# Altium PCB 控制板.PcbDoc (part 4 of 12) (continued)
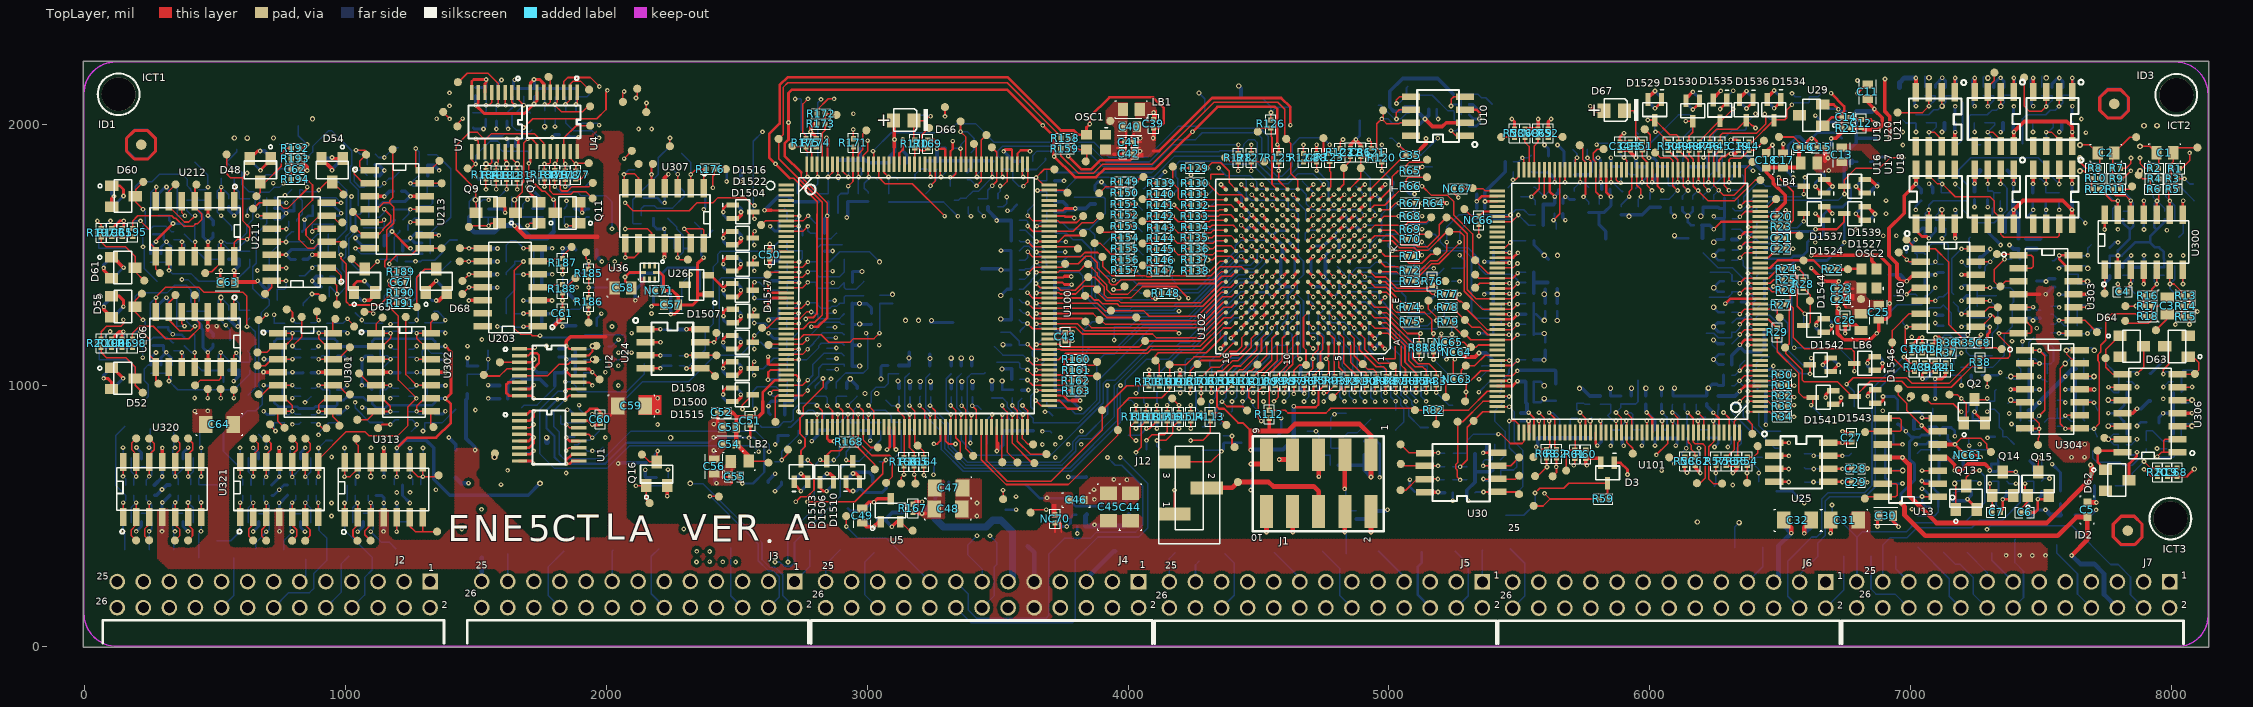
[diagram p0: TopLayer view]
## Nets (pads, with @x,y where several pads share a name; then routed paths per layer and width w, separated by ;. In a path a pad name is that pad's centre, name@x,y a point inside that pad or via, vN(x,y) a via of type N, cw(c..) or ccw(c..) an arc to the next point about the centre after c; other vN are vias at no path point) (continued)
J7-13_0: J7.13 pad.346 R18.2 R269.1 TP1506.1 | length 1596.4
  TopLayer w6: v1(7703.6,833.8) 7724,854.2 7724,1089.3 7719,1094.3 7719,1118.8 7729.4,1129.2 7729.4,1154.1 7749,1173.7 7749,1252.5 7772.4,1275.9 7861.5,1275.9 7872.4,1265 R18.2@7893.7,1265
  MidLayer3 w6: J7.13@7393.6,247.5 7445.7,299.6 7500.2,299.6 7584.4,383.8 7584.4,772.1 7646.1,833.8 v1(7703.6,833.8)
  BottomLayer w6: TP1506.1@7311.9,359.6 7311.9,329.7 7393.6,248 J7.13@7393.6,247.5 ; R269.1@7667.4,833 7702.8,833 v1(7703.6,833.8) pad.346@7716.5,803.4
J7-14_0: J7.14 R15.1 R275.1 TP1505.1 | length 2051.7
  TopLayer w6: v1(8069.4,1234.2) 8070.3,1235.1 R15.1@8070.3,1263.8
  MidLayer2 w6: v1(7593.6,934.6) 7674.9,1015.9 7781.1,1015.9 7848.2,948.8 v1(7969,948.8)
  MidLayer3 w6: J7.14@7393.6,147.5 7353.2,187.9 7353.2,264.7 7404.8,316.3 7410.3,316.3 7467.8,373.8 7508.2,373.8 7568.6,434.2 7568.6,909.6 v1(7593.6,934.6) ; v1(7969,948.8) 8011.1,990.9 8011.1,1175.9 v1(8069.4,1234.2)
  BottomLayer w6: J7.14@7393.6,147.5 7433.2,187.1 7433.2,288.4 7400.3,321.3 7400.3,408 TP1505.1@7401.9,409.6 ; R275.1@7562.8,944.2 7584,944.2 v1(7593.6,934.6)
J7-15_0: J7.15 R7.1 R293.2 TP1504.1 | length 2486.3
  TopLayer w6: R7.1@7805.5,1833.2 7826.3,1833.2 7845.3,1852.2 v1(7845.3,1872.5)
  MidLayer3 w6: J7.15@7293.6,247.5 7293.6,341.3 7373.6,421.3 7373.6,520.8 7463.6,610.8 7463.6,1057.2 7429.4,1091.4 v1(7429.4,1169.6) 7460.2,1169.6 7502.8,1212.2 7502.8,1294.6 7449.4,1348 7449.4,1823.8 7421.9,1851.3 7421.9,1873.8 7441.1,1893 7824.8,1893 v1(7845.3,1872.5)
  BottomLayer w6: TP1504.1@7217.4,359.6 7293.6,283.4 J7.15@7293.6,247.5 ; R293.2@7413.6,1134.2 7429.4,1150 v1(7429.4,1169.6)
J7-16_0: J7.16 pad.285@7634,1873.4 R8.2 R276.2 TP1503.1 | length 2426
  TopLayer w6: v3(7649.4,1872.1) 7649.4,1858 7674,1833.4 R8.2@7693.7,1833.4
  MidLayer3 w6: J7.16@7293.6,147.5 7341.1,195 7341.1,352.9 7407.4,419.2 7407.4,531.3 7494.9,618.8 7494.9,693 7523.2,721.3 7523.2,1005 7476.1,1052.1 7476.1,1153.8 7514.4,1192.1 7514.4,1313.4 7482.8,1345 7482.8,1657.6 7490.7,1665.5 7490.7,1682.9 7483.2,1690.4 7483.2,1757.1 7490.3,1764.2 7490.3,1783.3 7481.9,1791.7 7481.9,1837.5 7506.5,1862.1 7639.4,1862.1 v3(7649.4,1872.1)
  BottomLayer w6: TP1503.1@7127.8,360 7173.6,314.2 7190.7,314.2 7239.9,265 7239.9,201.2 J7.16@7293.6,147.5 ; v1(7494,1034.2) 7505.2,1023 7514.4,1023 R276.2@7523.6,1013.8
J7-17_0: J7.17 R2.2 R278.2 TP1518.1 | length 2358.1
  TopLayer w6: v1(7880.3,1872.1) 7880.3,1851.6 7899.4,1832.5 R2.2@7919.9,1832.5
  MidLayer2 w6: v1(7389,1170) 7412.4,1193.4 7521.5,1193.4 7546.5,1218.4 7659.4,1218.4 v1(7678.6,1199.2)
  MidLayer3 w6: J7.17@7193.6,247.5 7193.6,314.6 7315.3,436.3 7315.3,584.7 7329,598.4 7329,726.7 7414.9,812.6 7414.9,1067.1 7389,1093 v1(7389,1170) ; v1(7678.6,1199.2) 7659,1218.8 7659,1407.1 7674.9,1423 7683.6,1423 7699.9,1439.3 7699.9,1553.7 7651.5,1602.1 7651.5,1687.9 7809.1,1845.5 7853.7,1845.5 v1(7880.3,1872.1)
  BottomLayer w6: R278.2@7638.6,1198.4 7678.2,1198.4 7699,1219.2 TP1518.1@7733.6,1219.2
J7-18_0: J7.18 R1.1 R287.1 TP1502.1 | length 2914
  TopLayer w6: R1.1@8030.9,1832.1 8039.8,1832.1 8070.3,1862.6 v1(8070.3,1892.1)
  MidLayer2 w6: v1(7484,1219.6) 7564,1299.6 7571.6,1299.6 7637,1234.2 v1(8015.3,1234.2)
  MidLayer3 w6: J7.18@7193.6,147.5 7239.9,193.8 7239.9,317.2 7352.8,430.1 7352.8,535.1 7375.3,557.6 7375.3,731.3 7430.3,786.3 7430.3,1069.2 7411.9,1087.6 7411.9,1179.6 7451.9,1219.6 v1(7484,1219.6) ; v1(8015.3,1234.2) 8070.3,1289.2 v1(8070.3,1892.1)
  BottomLayer w6: TP1502.1@7028.6,379.6 7149,259.2 7149,192.1 J7.18@7193.6,147.5 ; R287.1@7538.6,1304.6 7564.9,1304.6 v1(7569.9,1299.6)
J7-21_0: D1524.3 J7.21 R361.2 TP23.1 | length 1960.5
  TopLayer w6: D1524.3@6590.4,1659.25 6590.9,1658.75 v1(6590.9,1629.6)
  MidLayer2 w6: v1(6590.9,1629.6) 6760.7,1629.6 v1(6791.3,1599)
  MidLayer3 w6: v1(6791.3,1599) 6786.9,1594.6 6786.9,1128 6818.2,1096.7 6818.2,464.2 6993.6,288.8 J7.21@6993.6,247.5
  BottomLayer w6: R361.2@6440.6,1604.6 6565.9,1604.6 v1(6590.9,1629.6) ; TP23.1@6943.2,344.6 6943.2,297.9 J7.21@6993.6,247.5
J7-22_0: J7.22 Q11B.3 R50.1 TP22.1 | length 3004.9
  TopLayer w6: v1(6022.1,1972.5) 6033.8,1972.5 6071.5,1934.8 R50.1@6071.5,1933.2
  MidLayer3 w6: v1(6022.1,1972.5) 6158.2,1972.5 6190.7,2005 6539.1,2005 6615.3,1928.8 6615.3,1590.3 6626.8,1578.8 6651.1,1578.8 6768.6,1461.3 6768.6,1123.5 6806.5,1085.6 6806.5,453.4 6951.5,308.4 6951.5,189.6 J7.22@6993.6,147.5
  BottomLayer w6: Q11B.3@6019.45,2019.4 6019.45,1975.15 v1(6022.1,1972.5) ; TP22.1@6848.6,344.6 6848.6,219.6 6867.7,200.5 6940.6,200.5 J7.22@6993.6,147.5
J7-23_0: J7.23 Q14.3 R296.1 U2.10 | length 7267.9
  TopLayer w6: Q14.3@7354,669.2 v1(7403.6,669.2)
  TopLayer w8: v1(1843,977.8) 1851.93,986.73 U2.10@1894,986.73
  MidLayer2 w6: v1(2583.6,746.7) 2583.6,721.3 2616.9,688 3390.2,688 3414,664.2 3519.4,664.2 3591.9,591.7 3591.9,491.7 3695.6,388 5857,388 6047,578 6964.4,578 6983.6,558.8 6983.6,450.5 6893.6,360.5 J7.23@6893.6,247.5
  BottomLayer w6: v1(1843,977.8) 1814.7,977.8 1744,907.1 1744,739.6 1801.5,682.1 2001.5,682.1 2087.8,768.4 2561.9,768.4 v1(2583.6,746.7) ; J7.23@6893.6,247.5 6893.6,388.3 6921.6,416.3 6986.5,416.3 7025.2,455 7234.9,455 7262.9,483 7352,483 7421.1,552.1 7421.1,651.7 7399,673.8 R296.1@7363.6,673.8
J7-24_0: J7.24 Q15.3 R268.2 U2.9 | length 7173.1
  TopLayer w6: Q15.3@7489.8,669.2 7489.8,720.4 v1(7493.6,724.2)
  TopLayer w8: v1(1841.9,946.7) 1856.3,961.1 U2.9@1894,961.1
  MidLayer2 w6: v1(2623.6,746.3) 2653.6,746.3 2664.4,735.5 3156.1,735.5 3176.6,715 3434.1,715 3456.1,693 3530.7,693 3619,604.7 3619,500.1 3715.3,403.8 5824.4,403.8 6020.6,600 6996.5,600 7028.2,568.3 7028.2,420.5 ; J7.24@6893.6,147.5 6941.5,195.4 6941.5,333.8 7028.2,420.5 ; v1(7493.6,724.2) 7467.4,698 7467.4,539.6 7348.3,420.5 7028.2,420.5
  BottomLayer w6: v1(1841.9,946.7) 1798.2,903 1798.2,843 1819.4,821.8 1819.4,736.7 1837.3,718.8 1987.8,718.8 2094.5,825.5 2571.9,825.5 2623.6,773.8 v1(2623.6,746.3) ; v1(7493.6,724.2) 7503.6,714.2 R268.2@7503.6,674.2
J7-25_0: J7.25 pad.261@6068.6,735 pad.380 Q13.3 R300.1 U2.11 | length 6910.7
  TopLayer w6: Q13.3@7213.6,614.6 7213.6,647.9 7239.9,674.2 v1(7264.4,674.2)
  TopLayer w8: U2.11@1894,1012.36 1934.64,1012.36 v1(1946.1,1000.9)
  MidLayer2 w6: v1(1845.7,665) 1892.4,711.7 1981.1,711.7 2027.8,758.4 2140.3,758.4 2167,731.7 2205.7,731.7 2216.9,742.9 2216.9,820.2 2227.2,830.5 2451.1,830.5 2476.5,855.9 3404.8,855.9 3428.6,832.1 3534,832.1 3834.8,531.3 4959,531.3 4984,506.3 5719.4,506.3 5912.7,699.6 v1(6094.4,699.6)
  MidLayer3 w6: v1(1845.7,665) 1873.2,692.5 1873.2,857.1 1928.6,912.5 1928.6,983.4 v1(1946.1,1000.9) ; v1(6094.4,699.6) 6433.6,699.6 6541.9,591.3 6656.9,591.3 6699.4,548.8 v1(6699.4,541.7)
  BottomLayer w6: pad.261@6068.6,735 6068.6,725.4 v1(6094.4,699.6) ; v1(6699.4,541.7) 6699.4,514.3 6794.9,418.8 ; J7.25@6793.6,247.5 6794.9,248.8 6794.9,418.8 ; R300.1@7233.6,674.2 7263.2,674.2 7284.9,652.5 7284.9,551.3 7207.4,473.8 7018.6,473.8 6984.4,439.6 6815.7,439.6 6794.9,418.8
J7-26_0: J7.26 R61.1 TP1520.1 | length 1534.1
  TopLayer w6: v1(5709,694.2) 5712.6,697.8 R61.1@5712.6,721.5
  MidLayer2 w6: v2(6343.2,474.2) 6461.9,355.5 6666.1,355.5 6739.4,282.2 6739.4,201.7 J7.26@6793.6,147.5
  MidLayer3 w6: v1(5709,694.2) 5742.3,727.5 5876.2,727.5 6148.7,455 6324,455 v2(6343.2,474.2)
  BottomLayer w6: TP1520.1@6326.5,377.5 6326.5,457.5 v2(6343.2,474.2)
NetC107_2: C106.2 C107.2 R28.2 R632.1 TP319.1 U300.7 | length 9405
  TopLayer w6: v1(1682.8,1989.2) 1684,1989.2 1717.8,2023 1963.4,2023 1998.4,2058 1998.4,2126.5 v1(2003.6,2131.7) ; v1(6569.6,1449.4) 6589,1430 R28.2@6589,1404.6 ; U300.7@8044,1444.2 8044,1390.5 v1(8044.9,1389.6)
  MidLayer2 w6: v1(2003.6,2131.7) 2009.9,2131.7 2045.7,2167.5 4638,2167.5 4670,2135.5 5975.8,2135.5 6020.3,2180 6513.6,2180 6541.1,2152.5 7027,2152.5 7045.7,2133.8 7750.3,2133.8 7888.2,1995.9 v3(7895.3,1995.9) ; v1(6569.6,1449.4) 6585.7,1465.5 6585.7,1560 6559,1586.7 6559,1655.8 6584.5,1681.3 6959.4,1681.3 6988.6,1710.5 7169.4,1710.5 7281.1,1598.8 7706.1,1598.8 7737.4,1567.5 7985.3,1567.5 8026.5,1526.3 8026.5,1408 v1(8044.9,1389.6)
  MidLayer3 w6: v3(7895.3,1995.9) 7915.3,2015.9 7962.3,2015.9 8001.9,1976.3 8001.9,1729.6 8017.8,1713.7 8017.8,1416.7 v1(8044.9,1389.6)
  BottomLayer w6: R632.1@1658.6,2016.3 1682.8,1992.1 v1(1682.8,1989.2) ; v1(6569.6,1449.4) 6620.3,1398.7 TP319.1@6620.3,1385 ; C107.2@8044,1458.8 8044.9,1457.9 v1(8044.9,1389.6)
NetC112_1: C112.1 C113.1 R181.2 R365.1 TP317.1 U300.8 | length 7943.4
  TopLayer w6: R181.2@1657.8,1791.3 1657.8,1752.5 v1(1658.2,1752.1)
  TopLayer w10: U300.8@8044,1655 8044,1706.7 v1(8045.7,1708.4)
  MidLayer2 w6: v1(1398.6,2122.1) 1968,2122.1 1979.6,2110.5 2009.1,2110.5 2053.9,2155.3 4266.6,2155.3 4296,2125.9 4661.5,2125.9 4672.8,2114.6 5339.9,2114.6 5347.4,2122.1 5980.7,2122.1 6024.5,2165.9 6507.7,2165.9 6545.5,2128.1 v1(6545.5,2120.3) 6567.7,2120.3 6589.1,2141.7 7006.1,2141.7 7026.1,2121.7 7599,2121.7 7654.9,2065.8 v1(7654.9,2021.7)
  MidLayer3 w6: v1(1398.6,2122.1) 1430.3,2090.4 1430.3,1836.2 1483.5,1783 1627.3,1783 v1(1658.2,1752.1) ; v1(7654.9,2021.7) 7662.4,2029.2 7979.5,2029.2 8021.1,1987.6 8021.1,1733 v1(8045.7,1708.4)
  BottomLayer w6: v1(6545.5,2120.3) 6558.3,2107.5 R365.1@6579.9,2107.5 ; TP317.1@8029,1568.4 8045.7,1585.1 v1(8045.7,1708.4)
NetC120_1: C119.1 C120.1 R184.2 R366.2 TP318.1 U300.14 | length 7847.8
  TopLayer w6: v1(1538.2,1752.1) R184.2@1538.2,1792.2
  TopLayer w10: v1(7744.4,1598.4) U300.14@7744.4,1655
  MidLayer2 w6: v1(1398.6,2072.5) 1461,2072.5 1497.3,2108.8 1957.3,2108.8 1968.6,2097.5 2013.6,2097.5 2059.5,2143.4 2254,2143.4 2256.9,2140.5 4253.2,2140.5 4280.7,2113 4653.9,2113 4666.4,2100.5 5354,2100.5 5363.1,2109.6 6054,2109.6 6096.9,2152.5 6298.1,2152.5 v1(6320.3,2130.3) 6344.2,2154.2 6484.9,2154.2 6538.6,2100.5 7515.7,2100.5 7646.6,1969.6 v1(7672.4,1969.6)
  MidLayer3 w6: v1(1398.6,2072.5) 1416.9,2054.2 1416.9,1828.4 1493.2,1752.1 v1(1538.2,1752.1) ; v1(7672.4,1969.6) 7735.7,1906.3 7836.1,1906.3 7851.1,1891.3 7896.1,1891.3 7903.6,1883.8 7903.6,1811.3 7882.8,1790.5 7783.6,1790.5 7709.9,1716.8 7709.9,1621.6 7733.1,1598.4 v1(7744.4,1598.4)
  BottomLayer w6: v2(4272.6,2121.1) 4294.4,2099.3 TP318.1@4294.4,2052.1 ; R366.2@6293.6,2110.4 6300.4,2110.4 v1(6320.3,2130.3) ; C120.1@7744,1673 7744,1598.8 v1(7744.4,1598.4)
NetC125_1: C125.1 pad.338 R259.1 R272.2 R274.2 U304.8 | length 866.5
  TopLayer w6: v3(7593.6,1084.6) 7574,1065 7574,853.4 7592,835.4 U304.8@7649.4,835.4
  MidLayer2 w6: v1(7593.6,834.2) 7643.1,834.2 7673.1,864.2 7876.1,864.2 7889.9,850.4 7889.9,815.9 v1(7868.2,794.2)
  BottomLayer w6: R274.2@7562.8,843.4 7584.4,843.4 7595.3,832.5 C125.1@7627.4,832.5 ; v3(7593.6,1084.6) 7612.8,1103.8 R272.2@7632.4,1103.8 ; R259.1@7827.8,773.8 7847.8,773.8 v1(7868.2,794.2)
NetC129_2: C129.2 pad.329 R253.1 R283.2 R286.2 U303.8 | length 984.1
  TopLayer w6: v1(7569.4,1200) U303.8@7625.2,1200
  MidLayer2 w6: v1(7569.4,1200) 7619.1,1200 7638.2,1180.9 7782.7,1180.9 v1(7969.4,994.2)
  MidLayer3 w6: v1(7569.4,1200) 7601.9,1232.5 7601.9,1371.7 v3(7679.4,1449.2)
  BottomLayer w6: R286.2@7538.2,1203 7566.4,1203 7571.8,1197.6 C129.2@7598.6,1197.6 ; R283.2@7644.4,1459.2 7669.4,1459.2 v3(7679.4,1449.2) ; v1(7969.4,994.2) 7989,1013.8 R253.1@8007.8,1013.8
NetC139_1: C139.1 pad.320 R264.1 R277.1 R290.2 U304.1 | length 987.9
  TopLayer w6: U304.1@7438.6,1135 7493.3,1135 7514.4,1113.9 7514.4,905.4 v1(7493.2,884.2)
  MidLayer2 w6: v1(7494.4,1134.2) 7512.3,1116.3 7661.9,1116.3 7682.7,1095.5 7767.3,1095.5 v1(7868.6,994.2)
  BottomLayer w6: R290.2@7453.1,864.2 7473.2,864.2 v1(7493.2,884.2) ; pad.320@7473.2,1184.6 7453.2,1164.6 C139.1@7453.2,1134.2 v1(7494.4,1134.2) 7503.6,1125 7512.4,1125 R277.1@7522.8,1114.6 ; R264.1@7829,1014.2 7848.6,1014.2 v1(7868.6,994.2)
NetC147_2: C147.2 pad.319 R313.1 R314.1 | length 153.2
  BottomLayer w6: C147.2@7254.8,1344.6 7328.6,1344.6 pad.319@7329,1344.2 ; R313.1@7255.3,1305 R314.1@7255.3,1383.8
NetC148_2: C148.2 pad.315 R315.1 R320.2 | length 152.6
  BottomLayer w6: pad.315@7070.7,1294.4 7074.7,1298.4 7115.3,1298.4 R320.2@7125.7,1308.8 7155.7,1278.8 R315.1@7155.7,1229.6
NetC166_1: C166.1 pad.291@7105.7,1809.2 R331.1 R453.1 U16.7 U17.7 U18.7 | length 2972
  TopLayer w6: U16.7@7070.9,1827.2 7070.9,1805.2 7103.1,1773 7122.7,1773 7171.9,1723.8 7304.9,1723.8 7321.1,1707.6 7321.1,1665.1 7345.5,1640.7 U17.7@7345.5,1620.4 7345.5,1580.6 7357.3,1568.8 7564,1568.8 7569.6,1574.4 U18.7@7569.6,1620.4
  MidLayer2 w6: v1(5187.6,1948) 5195.1,1940.5 5849.8,1940.5 5883.6,1906.7 6581.1,1906.7 6589.9,1915.5 6921.4,1915.5 6940.2,1896.7 6997.8,1896.7 v1(7121.5,1773)
  BottomLayer w6: R453.1@5098.2,1883.8 5123.4,1883.8 v1(5187.6,1948) ; pad.291@7105.7,1809.2 7105.7,1788.8 v1(7121.5,1773) 7117.7,1769.2 7117.7,1739.6 C166.1@7155.3,1739.6
NetC197_2: C197.2 pad.252@5635.3,1059.8 U101.125 | length 283.5
  TopLayer w6: U101.125@5415.2,1037.4 5473.9,1037.4 v1(5492.8,1056.3)
  BottomLayer w14: v1(5492.8,1056.3) 5495.7,1059.2 5634.7,1059.2 5640.5,1053.4 C197.2@5640.5,1006.6
NetC233_1: C233.1 pad.162@5546.5,1819.2 U101.81 | length 161.1
  TopLayer w6: v1(5635.9,1779.8) v1(5635.9,1779.8) U101.81@5635.94,1827.6
  BottomLayer w6: pad.162@5546.5,1819.2 5549,1816.7 C233.1@5611.9,1816.7
  BottomLayer w14: C233.1@5611.9,1816.7 5635.9,1792.7 v1(5635.9,1779.8)
NetC247_1: C247.1 pad.159@5146.9,2113 R456.1 U10.1 | length 356.3
  TopLayer w6: v1(5238,1977.3) 5257.3,1958 U10.1@5291.9,1958
  BottomLayer w6: R456.1@5099.4,2098.4 5114,2113 5166.5,2113 5225.3,2054.2 5246.5,2054.2 5251.5,2049.2 5251.5,2019.6 C247.1@5276.1,1995 5258.4,1977.3 v1(5238,1977.3)
NetC324_1: C324.1 pad.143@3456.9,773.8 U100.81 | length 173.9
  TopLayer w6: U100.81@3477.06,840.8 3477.06,887.06 v1(3479.2,889.2)
  BottomLayer w6: pad.143@3456.9,773.8 3460.3,777.2 3460.3,870.3 v1(3479.2,889.2)
NetC325_1: C325.1 pad.155@3828,1649.6 U100.125 | length 284.4
  TopLayer w6: v1(3615.3,1650.9) 3635.2,1631 3732.6,1631 3738.6,1625 3803.4,1625 pad.155@3828,1649.6
  BottomLayer w6: v1(3615.3,1650.9) 3615.3,1670.4 C325.1@3637.4,1692.5
NetC412_2: C412.2 R185.2 R186.1 R643.1 R644.1 TP1515.1 U313.1 | length 2172.4
  TopLayer w6: v1(996.1,550) 996.5,549.6 U313.1@996.5,495 ; R186.1@1931.9,1337.5 R185.2@1931.9,1415.3
  MidLayer2 w6: v1(996.1,550) 1018.6,572.5 1256.1,572.5 1403.2,719.6 1492.3,719.6 1543.2,770.5 1809.4,770.5 1821.9,783 1978.6,783 v1(1996.1,800.5)
  MidLayer3 w6: v1(1931.9,1375.9) 2044,1375.9 2063.6,1356.3 2063.6,1219.2 2019.4,1175 2019.4,994.1 2044,969.5 2044,828.7 2015.8,800.5 v1(1996.1,800.5)
  BottomLayer w6: C412.2@997,513.8 997,549.1 1006.9,559 R644.1@1006.9,618.4 ; v1(1931.9,1375.9) 2002.8,1375.9 TP1515.1@2003.2,1375.5
NetC464_1: C464.1 C465.1 pad.9@1358.6,1875.9 R664.2 R674.2 TP35.1 U213.9 | length 571.4
  TopLayer w6: U213.9@1304,1575.83 1357.73,1575.83 v1(1357.8,1575.9)
  BottomLayer w6: R674.2@1314.8,1885.5 1349,1885.5 1403.2,1831.3 1403.2,1645.5 1371.5,1613.8 1353.2,1613.8 1324.4,1585 C464.1@1324.4,1505.5 ; C465.1@1324.4,1585.9 1347.8,1585.9 v1(1357.8,1575.9)
NetC468_1: C468.1 C469.2 pad.10@1358.6,1770.5 R671.2 R675.1 TP36.1 U213.11 | length 393.6
  TopLayer w6: v1(1248.2,1675.5) 1248.4,1675.7 U213.11@1304,1675.7
  BottomLayer w6: R675.1@1178.6,1675 1269.4,1675 1282.8,1688.4 TP36.1@1323.2,1688.4 1333.2,1698.4 1333.2,1713.4 1314,1732.6 R671.2@1314,1764.2 1352.3,1764.2 pad.10@1358.6,1770.5 ; C468.1@1219.4,1635 1241.5,1657.1 1241.5,1668.8 v1(1248.2,1675.5)
NetC471_1: C471.1 C473.1 R676.1 R683.2 TP64.1 U213.7 | length 720.9
  TopLayer w6: v1(1037.8,1525.9) U213.7@1093.2,1525.9
  MidLayer3 w6: v1(1037.8,1525.9) 1064.9,1525.9 1182.4,1643.4 1182.4,1840.4 v1(1148.6,1874.2)
  BottomLayer w6: v1(1037.8,1525.9) 1059.1,1504.6 C471.1@1148.2,1504.6 ; R683.2@1114.4,1886.3 1126.5,1874.2 1147.8,1874.2 1185.7,1912.1 TP64.1@1201.9,1912.1
NetC472_2: C472.2 C474.2 pad.62@1027.8,1665.5 R677.2 R680.2 TP37.1 U213.5 | length 522.9
  TopLayer w6: pad.62@1027.8,1665.5 1029.8,1665.5 1069,1626.3 1138.6,1626.3 v1(1147.8,1635.5)
  MidLayer3 w6: v1(1147.8,1635.5) 1167.8,1655.5 1167.8,1755.9 v1(1148.2,1775.5)
  BottomLayer w6: R677.2@1068.6,1605.4 1147.8,1605.4 v1(1147.8,1635.5) ; R680.2@1114,1765.5 1119,1760.5 1133.2,1760.5 1166.5,1793.8 1181.1,1793.8 TP37.1@1205.3,1818
NetC489_1: C487.1 C489.1 pad.2@352.4,1781.3 R791.2 R796.2 TP60.1 U212.5 | length 498.4
  TopLayer w6: U212.5@372.67,1706.3 372.67,1661.83 v1(383.6,1650.9)
  MidLayer2 w6: v1(383.6,1650.9) 412.3,1679.6 494.5,1679.6 v1(522.8,1651.3)
  BottomLayer w6: pad.2@352.4,1781.3 354,1779.7 354,1650.9 v1(383.6,1650.9) ; R791.2@511.9,1684.7 507.4,1680.2 507.4,1666.7 564,1610.1 TP60.1@564,1595
NetC490_2: C488.2 C490.2 pad.6@583.2,1906.5 R788.2 R797.1 TP61.1 U212.7 | length 931.8
  TopLayer w6: U212.7@272.8,1706.3 272.8,1759.3 v1(274.4,1760.9)
  MidLayer2 w6: v1(274.4,1760.9) 307.3,1728 479.4,1728 493.6,1713.8 560.3,1713.8 v1(623.6,1650.5)
  BottomLayer w6: C490.2@252.4,1650.5 252.4,1738.9 v1(274.4,1760.9) ; pad.6@583.2,1906.5 583.2,1895.9 TP61.1@543.2,1855.9 567.8,1831.3 588.2,1831.3 602.8,1816.7 602.8,1770 630.3,1742.5 647.8,1742.5 653.2,1737.1 653.2,1689.2 649,1685 632.7,1685 623.6,1675.9 v1(623.6,1650.5)
NetC491_2: C485.1 C491.2 R787.2 R793.1 TP59.1 U212.11 | length 310.8
  TopLayer w6: U212.11@422.6,1495.5 422.6,1550.3 v1(423.2,1550.9)
  BottomLayer w6: C491.2@382.4,1579.7 411.2,1550.9 v1(423.2,1550.9) ; R793.1@421.1,1619.6 421.1,1525.1 462.4,1483.8 R787.2@511.9,1483.8
NetC494_2: C493.2 C494.2 pad.42@606.9,1429.2 R784.2 R799.1 TP58.1 U212.9 | length 545.3
  TopLayer w6: U212.9@322.73,1495.5 322.73,1442.17 v1(323.2,1441.7)
  BottomLayer w6: C494.2@251.9,1473.4 330.6,1473.4 330.6,1449.1 v1(323.2,1441.7) 335.7,1429.2 407.8,1429.2 437.4,1399.6 576.1,1399.6 632.4,1455.9 R784.2@632.4,1483.8
NetD62_1: D62.1 pad.290@7717.4,750.5 U306.14 | length 184.5
  TopLayer w10: D62.1@7747.8,677.5 7747,677.5 7717.4,707.1 pad.290@7717.4,750.5 7718.3,749.6 7779.9,749.6 7785.3,744.2 U306.14@7813.2,744.2
NetD69_2: D69.2 R126.1 TP38.1 | length 186.5
  TopLayer w6: R126.1@4547.4,2018.4 4547.4,2046.5 v1(4548,2047.1)
  BottomLayer w6: D69.2@4512.4,2104.2 4548,2068.6 v1(4548,2047.1) 4568.4,2067.5 TP38.1@4625.3,2067.5
NetJ1_6: J1.6 J12.2 pad.184@4421.1,630 | length 530.3
  TopLayer w18: J12.2@4301.9,607.6 4398.7,607.6 pad.184@4421.1,630 4539.5,630 4556.5,613 4712.4,613 4731.05,594.35 J1.6@4731.05,517.2
NetJ4_1: J4.1 R107.1 | length 862.7
  TopLayer w6: v1(4239,971.1) R107.1@4239,999.6
  MidLayer3 w6: J4.1@4040.3,248 4040.3,548 4273.8,781.5 4273.8,876.1 4261.9,888 4261.9,948.2 v1(4239,971.1)
NetJ4_2: J4.2 pad.189@4279.4,938.8 R106.1 | length 1114.2
  TopLayer w6: pad.189@4279.4,938.8 4279.9,939.3 R106.1@4279.9,1000
  MidLayer3 w6: J4.2@4040.3,148 4040.3,186.2 3996.1,230.4 3996.1,519.6 4261.1,784.6 4261.1,873.4 4219.9,914.6 4219.9,980.5 4234,994.6 4255.7,994.6 v1(4279.4,970.9)
NetJ4_3: J4.3 R464.2 | length 1222.2
  MidLayer3 w6: J4.3@3940.3,248 3988.4,199.9 3988.4,122.6 4001.2,109.8 4057.5,109.8 4093.4,145.7 4093.4,582.6 4285.9,775.1 4285.9,888.3 v1(4279.4,894.8)
  BottomLayer w6: R464.2@4240.3,998.8 4260.7,978.4 4260.7,913.5 v1(4279.4,894.8)
NetJ4_4: J4.4 pad.244@4396.5,899.6 R461.2 | length 1407.9
  MidLayer3 w6: J4.4@3940.3,148 3968.6,119.7 3968.6,110.5 3982.8,96.3 4067,96.3 4109,138.3 4109,573.3 4299.4,763.7 4299.4,903 4287.1,915.3 4287.1,951.4 4301.3,965.6 4301.3,982.5 4310.1,991.3 4376.3,991.3 4379.6,988 4379.6,951 4391.8,938.8 v1(4398.8,938.8)
  BottomLayer w6: pad.244@4396.5,899.6 4398.8,901.9 v1(4398.8,938.8) 4417.4,957.4 4417.4,982.6 R461.2@4399.9,1000.1
NetJ4_13: J4.13 R163.1 TP1125.1 | length 1136
  TopLayer w6: R163.1@3816.5,980 3840.7,980 v1(3841.5,979.2)
  MidLayer3 w6: v1(3420.7,424.2) 3441.5,445 3441.5,656.3 3492.3,707.1 3779.8,707.1 3841.5,768.8 v1(3841.5,979.2)
  BottomLayer w6: v1(3420.7,424.2) 3386.1,389.6 3386.1,350.5 3440.3,296.3 J4.13@3440.3,248
NetJ4_14: J4.14 R162.1 TP1123.1 | length 1268.5
  TopLayer w6: R162.1@3816.1,1018.4 3840,1018.4 v1(3841.1,1017.3)
  MidLayer3 w6: v1(3470.7,423.8) 3470.7,660.5 3486.5,676.3 3711.1,676.3 3726.5,691.7 3787.4,691.7 3863.6,767.9 3863.6,994.8 v1(3841.1,1017.3)
  BottomLayer w6: J4.14@3440.3,148 3441.1,148 3487.8,194.7 3487.8,305.5 3496.5,314.2 3496.5,398 v1(3470.7,423.8)
NetJ4_15: J4.15 R423.1 TP1124.1 | length 3076.7
  MidLayer2 w6: v1(3921.3,724.2) 4011.7,814.6 4113.2,814.6 4155.3,772.5 4254.4,772.5 4271.5,789.6 4794.9,789.6 4921.6,916.3 5164.9,916.3 5272.4,1023.8 v1@5346.1,1023.8
  BottomLayer w6: J4.15@3340.3,248 3387.8,200.5 3387.8,139.6 3419.4,108 3686.1,108 3695.3,117.2 3695.3,353.4 3756.1,414.2 3855.7,414.2 3879.5,438 4028.7,438 4056.5,465.8 4056.5,614.2 3976.1,694.6 3950.9,694.6 v1(3921.3,724.2) ; v1(5345.3,1024.6) 5376,1055.3 R423.1@5399.9,1055.3
NetJ4_16: J4.16 R422.1 TP1122.1 | length 2941.4
  MidLayer2 w6: v1(3970.5,724.2) 4017.2,770.9 4104,770.9 4117.8,757.1 4266.5,757.1 4283.2,773.8 4806.5,773.8 4931.9,899.2 5170.2,899.2 5266,995 5324.5,995 v1(5344.9,974.6)
  BottomLayer w6: J4.16@3340.3,148 3397.8,90.5 3787.4,90.5 3797.4,100.5 3797.4,331.7 3884.9,419.2 4040.7,419.2 4076.1,454.6 4076.1,623.8 3975.7,724.2 v1(3970.5,724.2) ; v1(5344.9,974.6) 5387.6,1017.3 R422.1@5399.9,1017.3
NetJ4_17: J4.17 pad.93@2919.4,499.2 R171.2 | length 2163.8
  TopLayer w6: pad.93@2919.4,499.2 2919.9,498.7 v1(2919.9,459.2) ; v1(2946.5,1981.3) 2946.9,1980.9 R171.2@2946.9,1946.2
  MidLayer3 w6: v1(2919.9,459.2) 2825.5,553.6 2825.5,675.9 2852.8,703.2 2852.8,822.2 2906.1,875.5 2906.1,935.4 2994.4,1023.7 2994.4,1086.3 3029.9,1121.8 3029.9,1865 2946.5,1948.4 v1(2946.5,1981.3)
  BottomLayer w6: v1(2919.9,459.2) 2964.9,414.2 3074.1,414.2 J4.17@3240.3,248
NetJ4_18: J4.18 R113.1 | length 1448.4
  TopLayer w6: v1(4240.3,789.6) 4286,789.6 4315.7,819.3 R113.1@4315.7,864.4
  MidLayer3 w6: J4.18@3240.3,148 3286.9,194.6 3286.9,279.6 3310.7,303.4 3750.7,303.4 4236.9,789.6 v1(4240.3,789.6)
NetJ4_19: J4.19 R465.2 | length 1506
  MidLayer3 w6: J4.19@3140.3,248 3140.3,256.3 3212,328 3725.4,328 3832.4,435 3832.4,457.6 3863.6,488.8 3888.2,488.8 4122.8,723.4 4122.8,764.3 4174,815.5 4174,945.4 v1(4200.1,971.5)
  BottomLayer w6: v1(4200.1,971.5) 4201.5,972.9 R465.2@4201.5,999.3
NetJ4_20: J4.20 R114.1 | length 1472.6
  TopLayer w6: R114.1@4240.3,864.4 4240.5,864.2 v1(4240.5,834.8)
  MidLayer3 w6: J4.20@3140.3,148 3190.7,198.4 3190.7,275.1 3231.1,315.5 3743.9,315.5 4205.5,777.1 4205.5,799.8 v1(4240.5,834.8)
NetJ4_21: J4.21 R466.2 | length 1578.7
  MidLayer3 w6: J4.21@3040.3,248 3145.7,353.4 3684,353.4 3859,528.4 3879.4,528.4 3978,627 3978,651.7 3988.4,662.1 4016.9,662.1 4093.2,738.4 4093.2,937.1 4060,970.3 v1(4030.7,970.3)
  BottomLayer w6: v1(4030.7,970.3) 4030.9,970.3 4040.7,980.1 R466.2@4040.7,999.3
NetJ4_22: J4.22 R119.1 TP6.1 | length 2255.7
  TopLayer w6: R119.1@4030.5,864 4007.8,841.3 4007.8,806.3 4024.5,789.6 v1(4030.7,789.6)
  MidLayer3 w6: J4.22@3040.3,148 2999.6,107.3 2805.1,107.3 2777.4,135 2777.4,260.9 2828.6,312.1 2874,312.1 2966.9,405 3600.2,405 3889,693.8 3889,733.7 3944.9,789.6 v1(4030.7,789.6)
  BottomLayer w6: TP6.1@3026.1,358.4 3024.9,358.4 2991.1,324.6 2991.1,197.2 J4.22@3040.3,148
NetJ4_23: J4.23 pad.141@4070.7,754.2 R116.1 | length 1568.5
  TopLayer w6: v1(4070.7,789.8) 4092.2,811.3 4138.4,811.3 4150.1,823 R116.1@4150.1,864.2
  MidLayer3 w6: J4.23@2940.3,248 3058.2,365.9 3640.3,365.9 3821.5,547.1 3878.1,547.1 3964.4,633.4 3964.4,656.7 3984,676.3 4008.6,676.3 4070.7,738.4 v1(4070.7,789.8)
  BottomLayer w6: pad.141@4070.7,754.2 v1(4070.7,789.8)
NetJ4_24: J4.24 pad.269@4125.7,754.2 R115.1 | length 1675.2
  TopLayer w6: v1(4110.3,789.4) 4144.3,789.4 4171.3,816.4 4171.3,840.8 R115.1@4194.9,864.4
  MidLayer3 w6: J4.24@2940.3,148 2995.3,203 3072,203 3094.4,225.4 3094.4,281.3 3153.6,340.5 3688.2,340.5 3856.5,508.8 3889.8,508.8 4110.3,729.3 v1(4110.3,789.4)
  BottomLayer w6: v1(4110.3,789.4) 4110.3,769.6 pad.269@4125.7,754.2
NetJ4_25: J4.25 pad.142@4030.7,709.2 R118.1 TP4.1 | length 1710.5
  TopLayer w6: v1(4030.5,743.8) 4050.7,764 4050.7,844.8 R118.1@4070.1,864.2
  MidLayer3 w6: J4.25@2840.3,248 2983.2,390.9 3606.9,390.9 3922.5,706.5 3993.2,706.5 v1(4030.5,743.8)
  BottomLayer w6: J4.25@2840.7,248.8 2840.7,314.2 TP4.1@2896.1,369.6 ; pad.142@4030.7,709.2 v1@4030.7,743.6
NetJ4_26: J4.26 pad.140@4001.1,809.2 R117.1 | length 1737.8
  TopLayer w6: v1(4070.3,834.6) 4081.5,834.6 4110.3,863.4 R117.1@4110.3,864.4
  MidLayer3 w6: J4.26@2840.3,148 2888.4,196.1 2888.4,274.8 2992.4,378.8 3620.5,378.8 3934.2,692.5 4004.4,692.5 4053.2,741.3 4053.2,817.5 v1(4070.3,834.6)
  BottomLayer w6: pad.140@4001.1,809.2 4044.9,809.2 v1(4070.3,834.6)
NetJ5_1: J5.1 R90.1 TP12.1 | length 1094.8
  TopLayer w6: v1(4908.4,971.9) 4908.4,995.7 R90.1@4913.6,1000.9
  MidLayer3 w6: v1(4908.4,971.9) 4890.7,954.2 4890.7,790.9 4989,692.6 4989,607.1 5057.8,538.3 5057.8,520.9 5252.8,325.9 5272.8,325.9 5351.2,247.5 J5.1@5358.6,247.5
  BottomLayer w6: J5.1@5358.6,247.5 5358.6,368.4 TP12.1@5359.4,369.2
NetJ5_2: J5.2 R442.1 | length 1103
  MidLayer3 w6: v1(4868.8,939.8) 4868.8,789 4902.8,755 4902.8,634.2 4992,545 5003.2,545 5014,534.2 5014,523 5229.9,307.1 5267,307.1 5298.2,275.9 5298.2,207.9 J5.2@5358.6,147.5
  BottomLayer w6: v1(4868.8,939.8) 4847.6,961 4847.6,979 R442.1@4869.9,1001.3
NetJ5_3: J5.3 R91.1 | length 940.5
  TopLayer w6: v1(4868.8,973) 4868.8,993.8 R91.1@4876.5,1001.5
  MidLayer3 w6: v1(4868.8,973) 4851.5,955.7 4851.5,641.7 5245.7,247.5 5250.8,247.5 J5.3@5258.6,247.5
NetJ5_4: J5.4 R443.1 TP17.1 | length 1301.3
  MidLayer3 w6: v1(4829.9,939.2) 4829.9,640.4 5209.9,260.4 5209.9,196.2 J5.4@5258.6,147.5
  BottomLayer w6: v1(4829.9,939.2) 4812.1,957 4812.1,982.2 R443.1@4829.9,1000 ; TP17.1@5254.4,364.6 5304,315 5304,194.1 5258.6,148.7 J5.4@5258.6,147.5